# Altium PCB SPIDER_ROBOT_1.PcbDoc
Units mil, origin at the board's own origin, x right, y up, seen from the top; angles counter-clockwise.
Board outline 3251.97 x 1692.91 mil, 2 copper layers (Top Layer, Bottom Layer); 16 components, 26 nets, 98 pads, 10 vias.
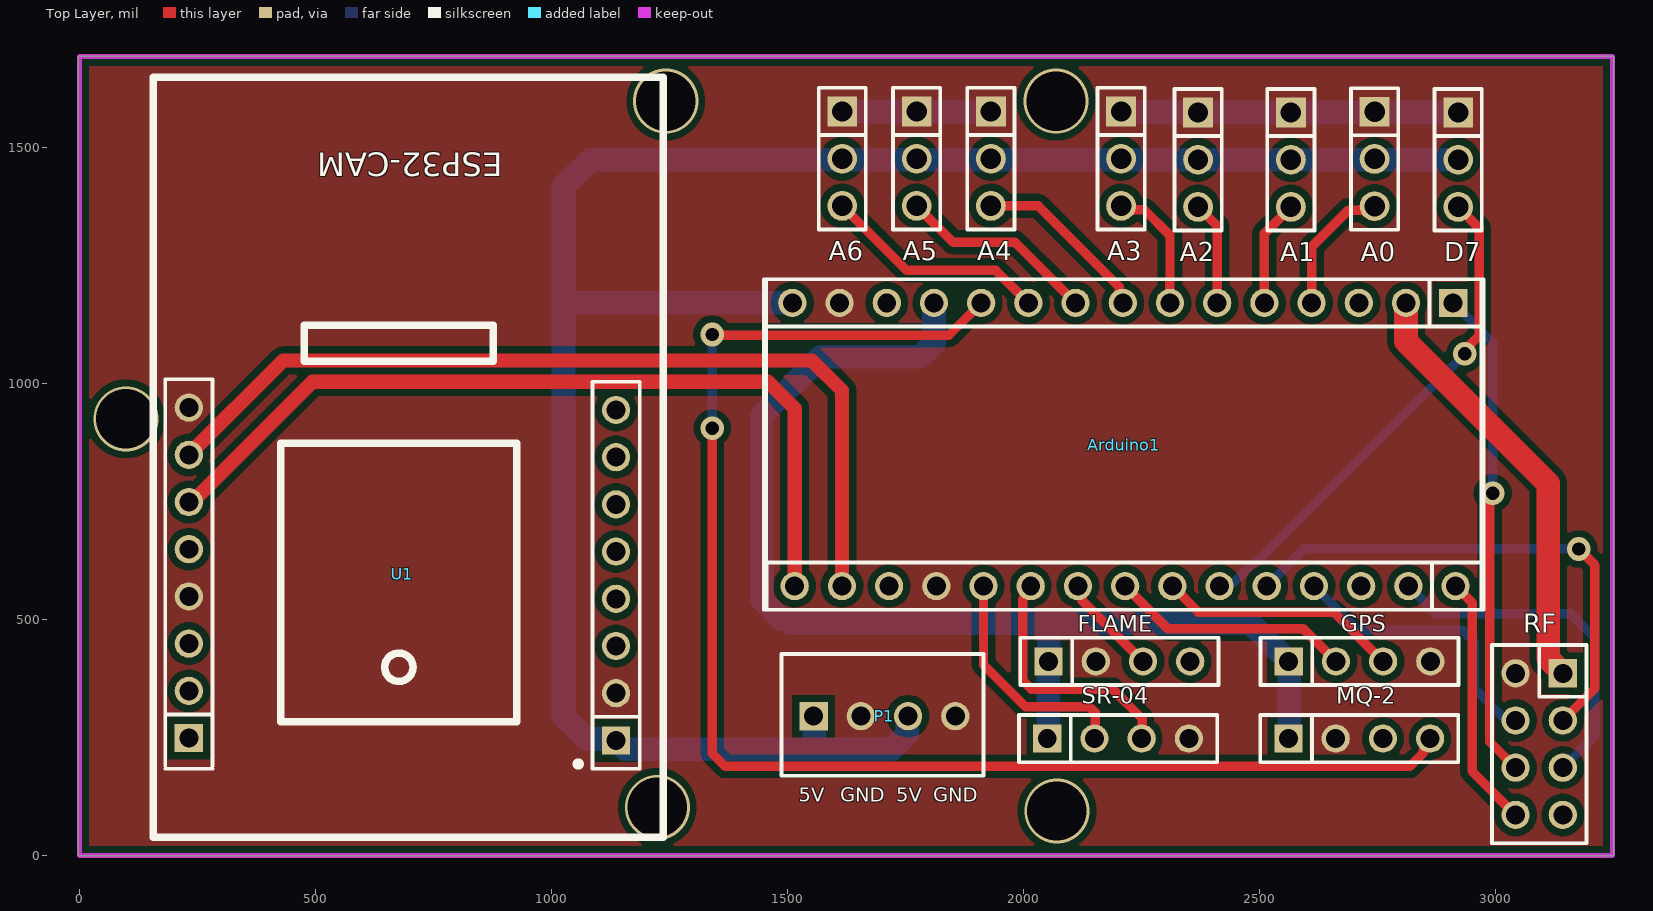
[diagram p0: Top Layer view]
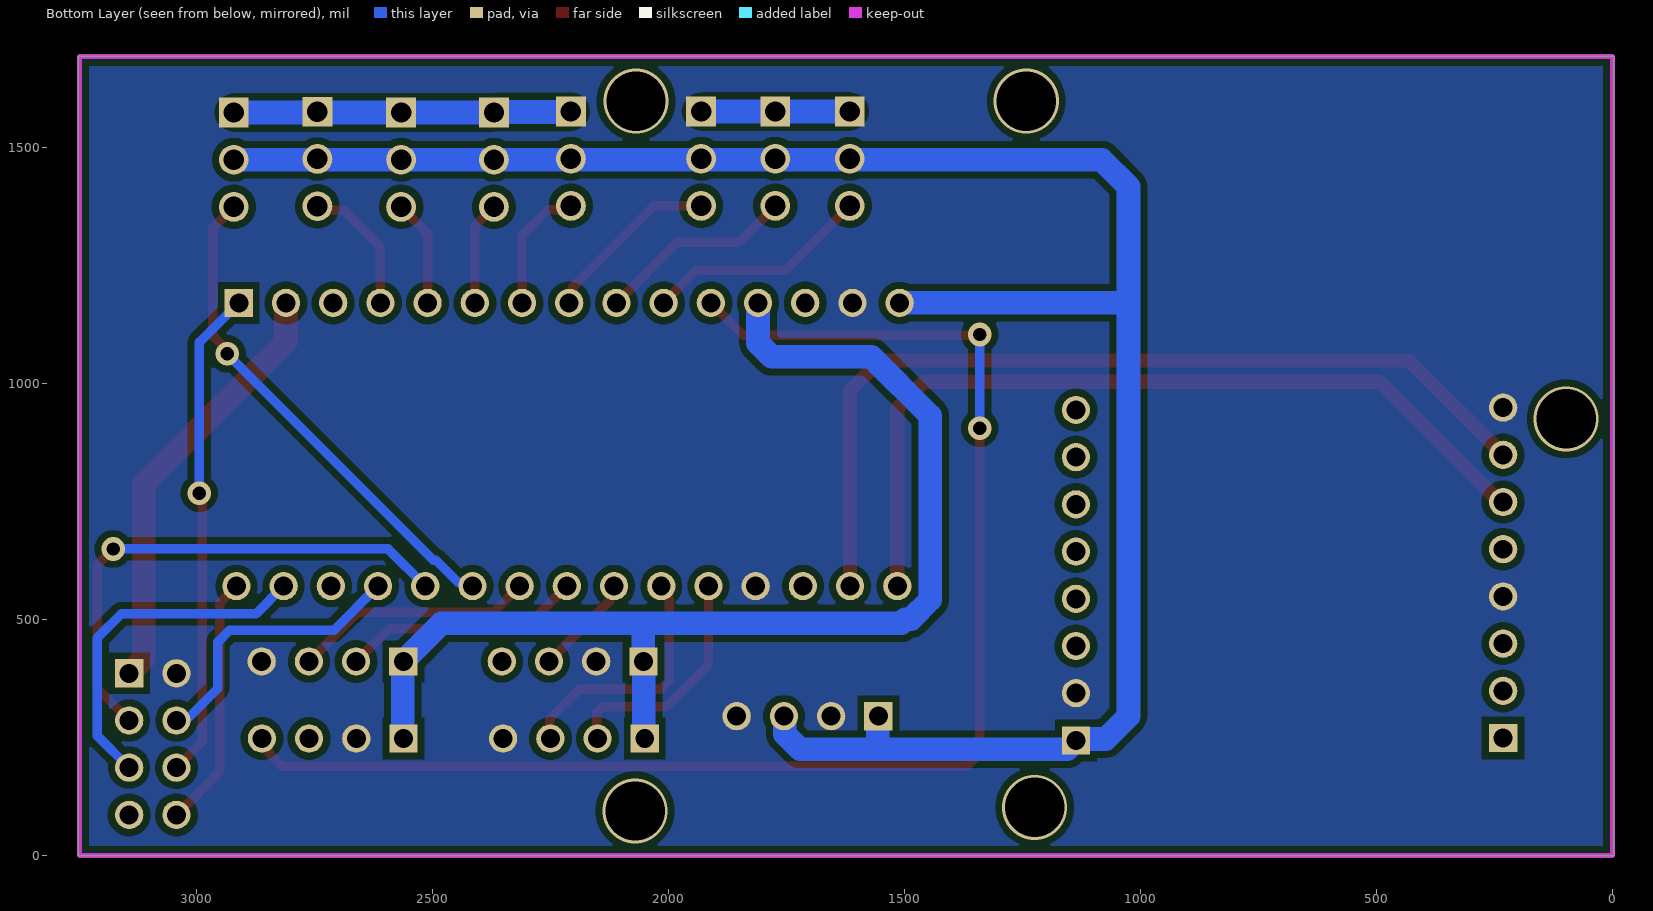
[diagram p1: Bottom Layer view, seen from below]

## Layer stack, top to bottom
Top Solder: solder mask 0.4, Solder Resist, Dk 3.5
Top Layer: signal copper 1.4
Dielectric 1: dielectric 12.6, FR-4, Dk 4.8
Bottom Layer: signal copper 1.4
Bottom Solder: solder mask 0.4, Solder Resist, Dk 3.5

## Board outline
-1.97,0 3250,0 3250,1692.91 -1.97,1692.91

## Design rules (kind name [scope] priority, off if disabled: settings)
Clearance [All] p1: gap=15 ignorepadtopadclearanceinfootprint=FALSE
PlaneConnect [All] p1: planeconnectstyle=Direct reliefexpansion=20 reliefentries=4 reliefconductorwidth=10 reliefairgap=10
PolygonConnect [All] p1: connectstyle=Direct reliefconductorwidth=10 reliefentries=4 polygonreliefangle="90 Angle" airgapwidth=10
RoutingVias [All] p1: holewidth=28 width=50 viastyle="Through Hole" minholewidth=28 minwidth=50 maxholewidth=28 maxwidth=50
SolderMaskExpansion [All] p1: expansion=4 istentingtop=FALSE
Width [All] p1: maxlimit=50 minlimit=20 preferedwidth=30
29 further rules are at their usual default settings.

## Components (designator, comment, footprint, x,y, rotation, side; value= is the part's Value field where it differs from the comment)
A0 "SV5" JP3-D1T 2743.74,1575.78 r270 top (schematic designator C8)
A1 "SV6" JP3-D1T 2566.58,1574.2 r270 top (schematic designator C9)
A2 "SV7" JP3-D1T 2369.73,1574.2 r270 top (schematic designator C10)
A3 "SV8" JP3-D1T 2206.69,1576.38 r270 top (schematic designator C11)
A4 "SV2" JP3-D1T 1931.1,1576.38 r270 top (schematic designator C2)
A5 "SV3" JP3-D1T 1773.62,1576.38 r270 top (schematic designator C3)
A6 "SV4" JP3-D1T 1616.14,1576.38 r270 top (schematic designator C4)
Arduino1 "Arduino Nano" "Arduino Nano" 2205.35,900.87 r90 top value="Cau 1A"
D7 "SV1" JP3-D1T 2920.91,1574.2 r270 top (schematic designator C1)
FLAME "FLAME" JP4-C1T 2053.19,411.21 r0 top (schematic designator C5)
GPS "GPS" JP4-C1T 2561.86,411.21 r0 top (schematic designator C7)
MQ-2 "MQ2" JP4-C1T 2561.42,248.03 r0 top (schematic designator C6)
P1 "5V" DOMINO_4P_2.54MM 1555.51,295.28 r0 top
RF "RF" JP4-C2T 3092.52,236.22 r270 top (schematic designator C13)
SR-04 "SR-04" JP4-C1T 2050.39,248.03 r0 top (schematic designator C12)
U1 "ESP CAM" ESP32_CAM 676.82,549.01 r180 top

## Footprints (in the part's own frame and the unit in brackets; to place one, negate y for a bottom-side part, rotate by r counter-clockwise, add the part's x,y. Pads: shape width x height; smd on the part's side, far side on the other; paste and mask are expansions set on the pad)
"Arduino Nano" [mm]
  round 1.52 hole 1.02: 3V3(6.858,-15.367) 5V(6.858,10.033) A0(6.858,-10.287) A1(6.858,-7.747) A2(6.858,-5.207) A3(6.858,-2.667) A4(6.858,-0.127) A5(6.858,2.413) A6(6.858,4.953) A7(6.858,7.493) D2(-8.382,7.366) D3(-8.382,4.826) D4(-8.382,2.286) D5(-8.382,-0.254) D6(-8.382,-2.794) D7(-8.382,-5.334) D8(-8.382,-7.874) D9(-8.382,-10.414) D10(-8.382,-12.954) D11(-8.382,-15.494) D12(-8.382,-18.034) GND(-8.382,9.906) GND(6.858,15.113) REF(6.858,-12.827) RST(-8.382,12.446) RST(6.858,12.573) RX0(-8.382,14.986) TX1(-8.382,17.526) VIN(6.858,17.653)
  rect 1.52x1.52 hole 1.02: D13(6.858,-17.907)
  silkscreen extent -9.65,-19.55 8.13,19.18, body extent -9.65,-23.48 8.14,21.44, height 21.18
DOMINO_4P_2.54MM [mm] "4 row, straight, gold plating"
  rect 1.52x1.52 hole 1.02: 1(0,0)
  round 1.52 hole 1.02: 2(2.54,0) 3(5.08,0) 4(7.62,0)
  silkscreen extent -1.73,-3.2 9.14,3.35, body extent -1.59,-3.06 9.02,3.21, height 8.5
ESP32_CAM [mm]
  rect 1.52x1.52 hole 1.02: 1(-11.684,7.747) 16(11.303,7.62)
  round 1.52 hole 1.02: 2(-11.684,5.207) 3(-11.684,2.667) 4(-11.684,0.127) 5(-11.684,-2.413) 6(-11.684,-4.953) 7(-11.684,-7.493) 8(-11.684,-10.033) 9(11.303,-10.16) 10(11.303,-7.62) 11(11.303,-5.08) 12(11.303,-2.54) 13(11.303,0) 14(11.303,2.54) 15(11.303,5.08)
  silkscreen extent -14.22,-27.94 13.21,12.95, body extent -13.97,-27.87 13.03,12.63, height 21.26
JP3-D1T [mm] "3 pins, 1 row, straight, gold plating"
  rect 1.6x1.6 hole 1.1: 1(0,0)
  round 1.6 hole 1.1: 2(2.54,0) 3(5.08,0)
  silkscreen extent -1.27,-1.27 6.35,1.27, body extent -1.27,-1.27 6.35,1.27, height 8.54
JP4-C1T [mm] "4 row, straight, gold plating"
  rect 1.52x1.52 hole 1.02: 1(0,0)
  round 1.52 hole 1.02: 2(2.54,0) 3(5.08,0) 4(7.62,0)
  silkscreen extent -1.52,-1.27 9.14,1.27, body extent -1.52,-1.25 9.14,1.25, height 8.51
JP4-C2T [mm] "8 pins, dual row, straight, gold plating"
  rect 1.52x1.52 hole 1.02: 1(-3.81,1.27)
  round 1.52 hole 1.02: 2(-1.27,1.27) 3(1.27,1.27) 4(3.81,1.27) 5(3.81,-1.27) 6(1.27,-1.27) 7(-1.27,-1.27) 8(-3.81,-1.27)
  silkscreen extent -5.33,-2.54 5.33,2.54, body extent -5.33,-2.54 5.33,2.54, height 8.51

## Part data
A0 A1 A2 A3 A4 A5 A6 D7: library part JP3, "WR-PHD 2.54 mm Angled Socket Header", Manufacturer="W¨¹rth Elektronik eiSos GmbH", partNo=613003143121, ComponentLink1 Description=Manufacturer, ComponentLink1URL=http://www.we-online.com, ComponentLink2 Description=Datasheet, ComponentLink2URL=http://katalog.we-online.de/em/datasheet/6130xx143121.pdf, Created by="Karrer Zheng", Created Date="29 March 2013", NoPins=03
Arduino1: "Arduino NANO"
FLAME GPS MQ-2 SR-04: library part JP4, "WR-PHD 2.54 mm Angled Socket Header", Manufacturer="W¨¹rth Elektronik eiSos GmbH", partNo=613004143121, ComponentLink1 Description=Manufacturer, ComponentLink1URL=http://www.we-online.com, ComponentLink2 Description=Datasheet, ComponentLink2URL=http://katalog.we-online.de/em/datasheet/6130xx143121.pdf, Created by="Karrer Zheng", Created Date="29 March 2013", NoPins=04
P1: library part "Domino 4 pin"
RF: library part JP4x2, "WR-PHD 2.54 mm Dual Socket Header", Manufacturer="W¨¹rth Elektronik eiSos GmbH", partNo=61300821821, ComponentLink1 Description=Manufacturer, ComponentLink1URL=http://www.we-online.com, ComponentLink2 Description=Datasheet, ComponentLink2URL=http://katalog.we-online.de/em/datasheet/6130xx21821.pdf, Created by="Karrer Zheng", Created Date="29 March 2013", NoPins=08
U1: library part ESP32_CAM, "ESP-12 Wi-Fi Module by AI-Thinker", IC=ESP8266-EX, Vendor=Ai-thinker

## Via types
v1: diameter 137.8, hole 125.98, Top Layer to Bottom Layer, tented both sides, 5 vias
v2: diameter 50, hole 28, Top Layer to Bottom Layer, tented both sides, 5 vias

## Nets (pads, with @x,y where several pads share a name; then routed paths per layer and width w, separated by ;. In a path a pad name is that pad's centre, name@x,y a point inside that pad or via, vN(x,y) a via of type N, cw(c..) or ccw(c..) an arc to the next point about the centre after c; other vN are vias at no path point)
3V3: Arduino1.3V3 RF.1 | length 922.2
  Top Layer w50: Arduino1.3V3 2810.35,1089.25 3111.43,788.18 3111.43,417.31 RF.1
5V: Arduino1.5V FLAME.1 GPS.1 MQ-2.1 SR-04.1 | length 2484.4
  Bottom Layer w50: Arduino1.5V 1810.35,1085.83 1781.06,1056.55 1570.32,1056.55 1445.43,931.65 1445.43,541.9 1486.39,500.94 1498.03,500.94 1506.85,492.13 2049.21,492.13 ; SR-04.1@2051.62,248.03 2052.41,248.82 2052.41,410.42 FLAME.1 2053.19,488.14 2049.21,492.13 ; MQ-2.1@2563.43,248.03 2562.64,248.82 2562.64,410.42 GPS.1 2480.94,492.13 2049.21,492.13
A0: A0.3 Arduino1.A0 | length 287.8
  Top Layer w20: Arduino1.A0 2610.35,1289.49 2688.42,1367.55 2735.52,1367.55 A0.3
A1: A1.3 Arduino1.A1 | length 226.6
  Top Layer w20: Arduino1.A1 2510.35,1317.98 A1.3
A2: A2.3 Arduino1.A2 | length 220.2
  Top Layer w20: A2.3 2410.35,1333.58 Arduino1.A2
A3: A3.3 Arduino1.A3 | length 317.1
  Top Layer w20: A3.3 2214.92,1368.15 2255.86,1368.15 2310.35,1313.66 Arduino1.A3 2310.17,1171.05 2310.17,1215.42
A4: A4.3 Arduino1.A4 | length 379.8
  Top Layer w20: A4.3 2031.1,1376.38 2202.73,1204.75 2202.73,1178.49 Arduino1.A4
A5: A5.3 Arduino1.A5 | length 421.9
  Top Layer w20: A5.3 1850.79,1299.21 1982.01,1299.21 Arduino1.A5
A6: A6.3 Arduino1.A6 | length 479.3
  Top Layer w20: A6.3 1752.36,1240.16 1941.06,1240.16 Arduino1.A6
A7: Arduino1.A7 MQ-2.4 | length 3042.3
  Top Layer w20: v2(1340.55,905.51) 1340.55,216.54 1368.11,188.98 2818.36,188.98 2847.05,217.66 2847.05,222.88 2858.21,234.05 MQ-2.4@2863.43,234.05 ; v2(1340.55,1103.94) 1342.13,1102.36 1841.85,1102.36 Arduino1.A7
  Bottom Layer w20: v2(1340.55,905.51) v2(1340.55,1103.94)
D2: Arduino1.D2 SR-04.2 | length 513.9
  Top Layer w20: Arduino1.D2 1915.35,404.35 2004.75,314.96 2139.9,314.96 2151.62,303.24 SR-04.2@2151.62,234.05
D3: Arduino1.D3 SR-04.3 | length 549.7
  Top Layer w20: Arduino1.D3 2015.35,560.08 1998.27,543 1998.27,436.89 1998.27,370.93 2016.42,352.79 2188.55,352.79 2251.62,289.72 SR-04.3@2251.62,234.05
D4: Arduino1.D4 FLAME.3 | length 216.8
  Top Layer w20: Arduino1.D4 2122.98,563.24 2122.98,541.43 FLAME.3
D5: Arduino1.D5 GPS.2 | length 512.6
  Top Layer w20: Arduino1.D5 2305.28,480.94 2592.12,480.94 GPS.2
D6: Arduino1.D6 GPS.3 | length 512.6
  Top Layer w20: Arduino1.D6 2370.28,515.94 2657.12,515.94 GPS.3
D7: Arduino1.D7 D7.3 | length 1065.6
  Top Layer w20: D7.3 2965.28,1329.84 2965.28,1101.35 2935.04,1071.11 v2(2935.04,1062.99)
  Bottom Layer w20: Arduino1.D7 2422.98,578.49 2445.31,578.49 2492.61,625.79 2497.83,625.79 v2(2935.04,1062.99)
D8: Arduino1.D8 RF.2 | length 1099.5
  Top Layer w20: RF.2 3210.63,354.33 3210.63,615.4 v2(3176.43,649.61)
  Bottom Layer w20: Arduino1.D8 2594.09,649.61 v2(3176.43,649.61)
D9: Arduino1.D9 RF.7 | length 602.7
  Bottom Layer w20: Arduino1.D9 2709.24,476.98 2930.5,476.98 2954.72,452.76 2954.72,354.33 3015.21,293.84 3034.9,293.84 RF.7
D10: Arduino1.D10
D11: Arduino1.D11 RF.3 | length 743.6
  Bottom Layer w20: Arduino1.D11 2874.24,511.98 3159.37,511.98 3210.63,460.73 3210.63,254.33 RF.3
D12: Arduino1.D12 RF.5 | length 537.3
  Top Layer w20: Arduino1.D12 2950.24,535.98 2950.24,178.5 RF.5
D13: Arduino1.D13 RF.6 | length 1044.8
  Top Layer w20: v2(2994.09,767.72) 2994.09,759.6 2987.6,753.1 2987.6,241.14 RF.6
  Bottom Layer w20: Arduino1.D13 2994.09,1087.13 v2(2994.09,767.72)
GND: A0.1 A1.1 A2.1 A3.1 A4.1 A5.1 A6.1 Arduino1.GND D7.1 FLAME.2 GPS.4 MQ-2.2 P1.2 P1.4 RF.8 SR-04.4 U1.2 U1.9 U1.13 | length 1030.1
  Bottom Layer w50: A6.1 A5.1 A4.1 ; A3.1 2207.78,1575.29 2368.64,1575.29 A2.1 A1.1 D7.1
RX: Arduino1.RX0 U1.10 | length 1907
  Top Layer w30: U1.10 431.75,1048.94 1551.46,1048.94 1615.35,985.04 Arduino1.RX0
TX: Arduino1.TX1 U1.11 | length 1789
  Top Layer w30: U1.11 239.16,749.01 494.09,1003.94 1458.66,1003.94 1515.35,947.24 Arduino1.TX1
VIN: A0.2 A1.2 A2.2 A3.2 A4.2 A5.2 A6.2 Arduino1.VIN D7.2 P1.1 P1.3 U1.1 | length 4606.1
  Bottom Layer w50: Arduino1.VIN 1035.83,1170.87 1025.59,1181.1 ; P1.1 1557.09,293.7 1557.09,225.35 ; P1.3 1753.63,293.39 1753.63,257.68 1721.3,225.35 1557.09,225.35 ; A2.2 A1.2 ; D7.2 A1.2 ; 1025.59,1181.1 1025.59,1417.32 1082.47,1474.2 A1.2 ; 1025.59,1181.1 1025.59,295.28 1073.88,246.98 1133.84,246.98 1155.47,225.35 1557.09,225.35
pads on no net: Arduino1.REF Arduino1.RST FLAME.4 MQ-2.3 RF.4 U1.3 U1.4 U1.5 U1.6 U1.7 U1.8 U1.12 U1.14 U1.15 U1.16
copper on no net:
  other v1: 2070.87,94.49 1224.41,102.36 98.43,925.2 1242.13,1598.43 2068.9,1598.43

## Polygon pours and split planes (outlines as drawn)
GND on Bottom Layer "GND_L02_P001" (solid, pour order 1): 0,1692.91 3248.03,1692.91 3248.03,0 0,0
GND on Top Layer "GND_L01_P000" (solid, pour order 0): 0,1692.91 3248.03,1692.91 3248.03,0 0,0

## Keep-outs
Keep-Out Layer:
  lines w10: 0,0 0,1692.91 3248.03,1692.91 3248.03,0 0,0

## Silkscreen, mask and mechanical layers (free items; w line width, h text height)
Top Overlay:
  text "5V" at 1523.72,114.27 h30
  text "GND" at 1612.3,114.27 h30
  text "5V" at 1730.41,114.27 h30
  text "GND" at 1809.15,114.27 h30

## Text inside footprints (layer, text, board x,y; h text height)
U1: Top Overlay "ESP32-CAM" at 896.82,1489.01 h50 r180; Mechanical 4 ">VALUE" at 1076.32,333.51 h1.55 r270; Mechanical 4 ">VALUE" at 1076.32,413.51 h1.55 r270; Mechanical 4 ">VALUE" at 1077.32,804.51 h1.55 r270; Mechanical 4 ">VALUE" at 1078.32,804.51 h1.55 r270; Mechanical 4 ">VALUE" at 1078.32,726.51 h1.55 r270; Mechanical 4 ">VALUE" at 1078.32,647.51 h1.55 r270; Mechanical 4 ">VALUE" at 1078.32,568.51 h1.55 r270; Mechanical 4 ">VALUE" at 1078.32,489.51 h1.55 r270; Mechanical 4 ">VALUE" at 1078.32,411.51 h1.55 r270; Mechanical 4 ">VALUE" at 1078.32,332.51 h1.55 r270; Mechanical 4 ">VALUE" at 369.32,607.51 h1.55 r270; Mechanical 4 ">VALUE" at 369.32,686.51 h1.55 r270; Mechanical 4 ">VALUE" at 369.32,764.51 h1.55 r270; Mechanical 4 ">VALUE" at 369.32,843.51 h1.55 r270; Mechanical 4 ">VALUE" at 369.32,922.51 h1.55 r270; Mechanical 4 ">VALUE" at 369.32,1001.51 h1.55 r270; Mechanical 4 ">VALUE" at 369.32,1079.51 h1.55 r270; Mechanical 4 ">VALUE" at 369.32,1158.51 h1.55 r270